# Altium PCB Portier.PcbDoc
Units mm, origin at the board's own origin, x right, y up, seen from the top; angles counter-clockwise.
Board outline 100 x 100 mm, 2 copper layers (Top Layer, Bottom Layer), stack 1.586 mm thick; 81 components, 42 nets, 222 pads, 93 vias.
Unrouted connection lines stored in the file: 1.
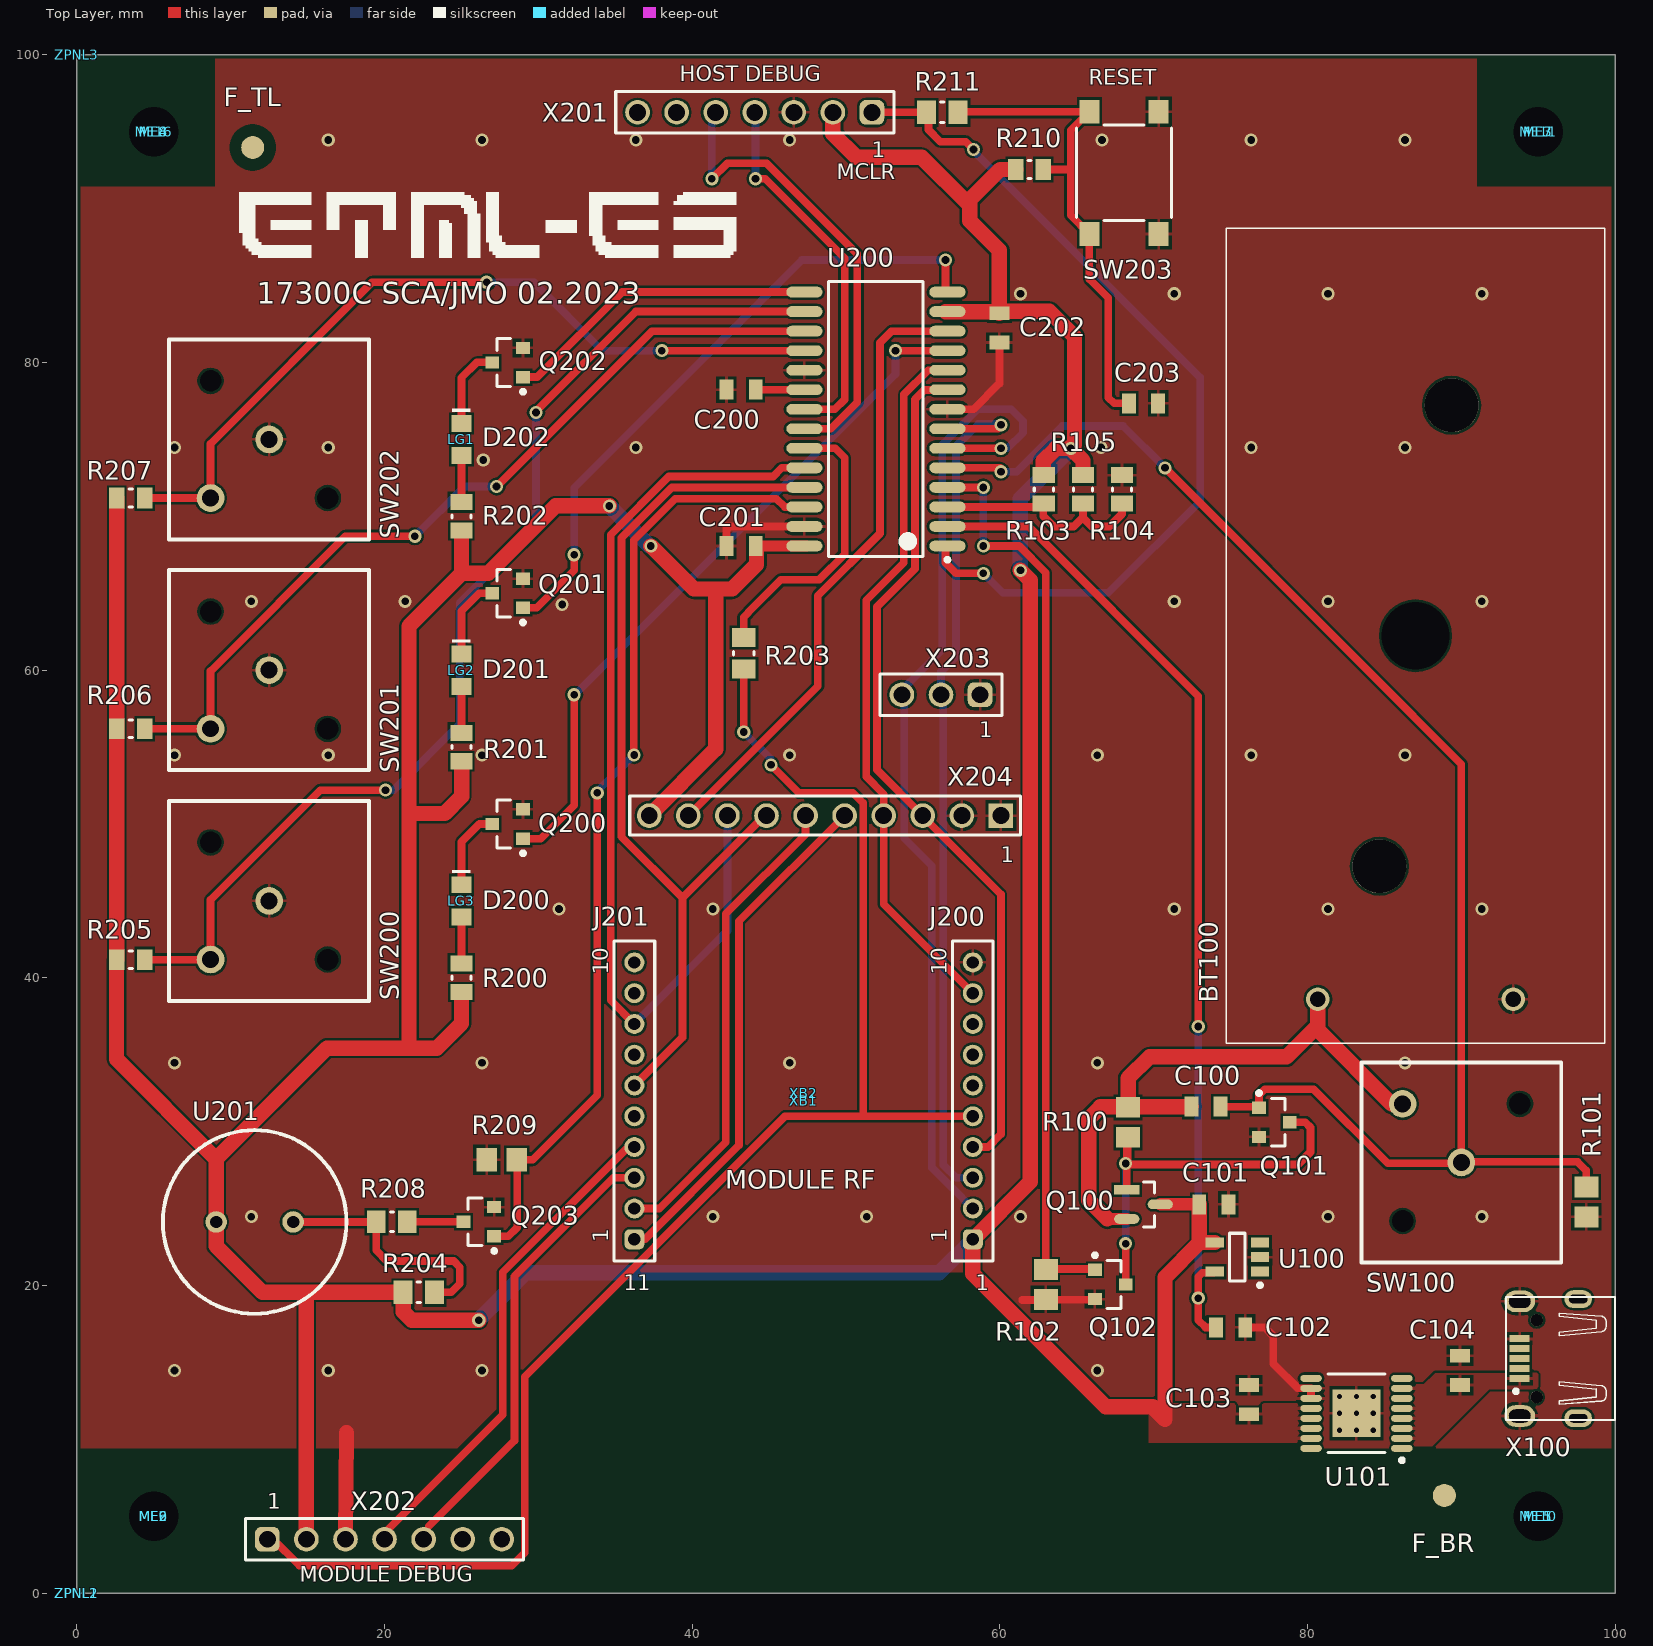
[diagram p0: Top Layer view]
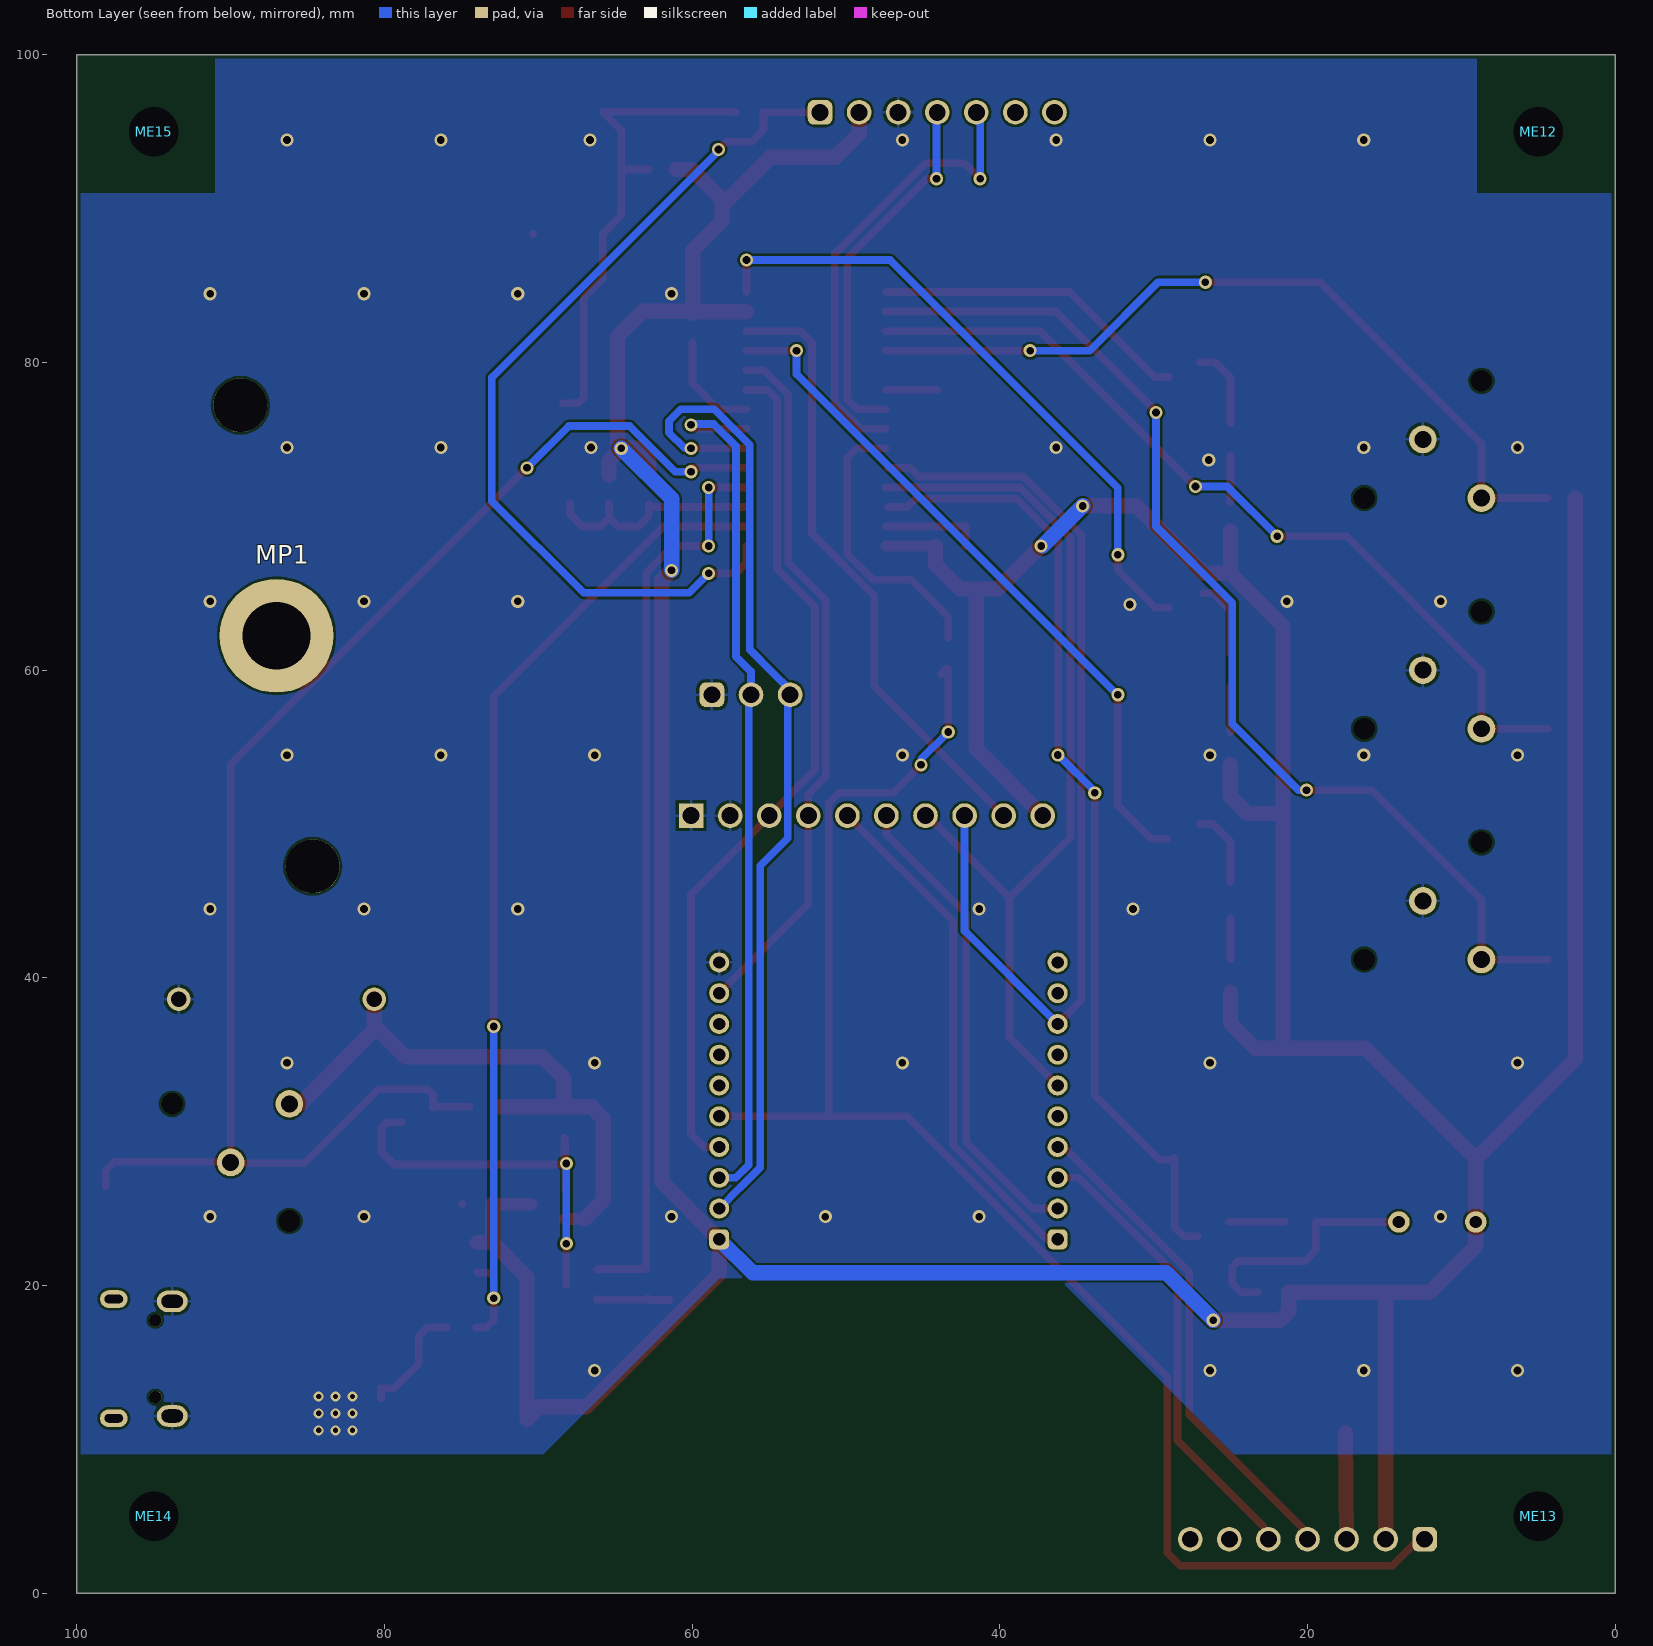
[diagram p1: Bottom Layer view, seen from below]
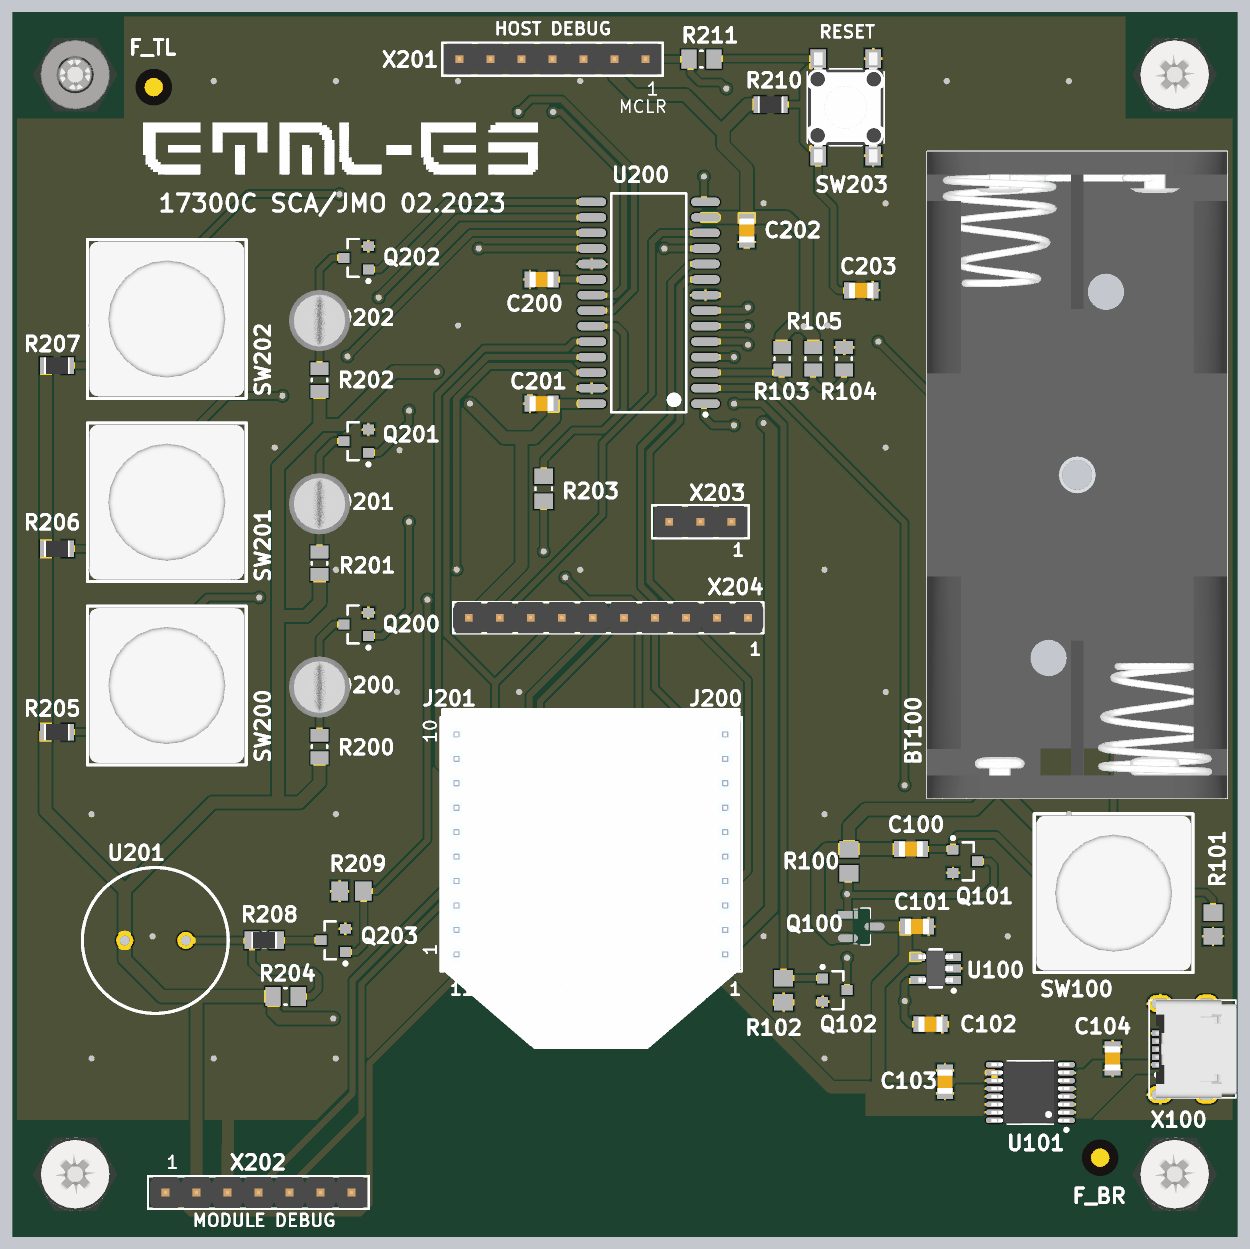
[diagram p2: 3D render of the assembled board from above, using the file's embedded part models]

## Layer stack, top to bottom
Top Solder: solder mask 0.0102, Solder Resist, Dk 3.5
Top Layer: signal copper 0.018
Dielectric1: core 1.55, FR-4, Dk 4.8
Bottom Layer: signal copper 0.018
Bottom Solder: solder mask 0.0102, Solder Resist, Dk 3.5

## Board outline
0,0 100,0 100,100 0,100

## Design rules (kind name [scope] priority, off if disabled: settings)
BoardOutlineClearance [All] p1: gap=0.25 ignorepadtopadclearanceinfootprint=FALSE except(0: Arc-SplitContinuation Track-SplitContinuation SMDPad-SplitContinuation THPad-SplitContinuation Via-SplitContinuation Fill-SplitContinuation Poly-SplitContinuation Region-SplitContinuation Text-SplitContinuation)
Clearance Clearance-xPP-xTP-xTT [All] p1: gap=0.151 ignorepadtopadclearanceinfootprint=FALSE
ComponentClearance ComponentClearance_ZPNL3_BT100 [InComponent('ZPNL3') vs InComponent('BT100')] p1: gap=0 collisioncheckmode=3 verticalgap=0 showdistances=FALSE
ComponentClearance ComponentClearance_ExtMecParts [InComponentClass('PcsMec_BOM') vs InComponentClass('PcsMec_BOM')] p2: gap=0 collisioncheckmode=3 verticalgap=0 showdistances=FALSE
ComponentClearance ComponentClearance_ExtRFParts [InComponentClass('RF_Modules_BOM') vs InComponent('J200') OR InComponent('J201') OR InComponentClass('RF_Modules_BOM')] p3: gap=0 collisioncheckmode=3 verticalgap=0 showdistances=FALSE
ComponentClearance ComponentClearance_ZPNLx_LG [InComponent('ZPNL1')OR InComponent('ZPNL2') vs InComponentClass('Schurter Switches')] p4: gap=0 collisioncheckmode=3 verticalgap=0 showdistances=FALSE
ComponentClearance ComponentClearance_MEx [InComponent('ME1')OR InComponent('ME2')OR InComponent('ME3')OR InComponent('ME4') vs InComponent('ME5')OR InComponent('ME6')OR InComponent('ME7')OR InComponent('ME8')OR InComponent('ME9')OR InComponent('ME10')OR InComponent('ME11')OR InComponent('ME11')] p5: gap=0 collisioncheckmode=3 verticalgap=0 showdistances=FALSE
ComponentClearance [All] p6: gap=0.25 collisioncheckmode=3 verticalgap=0.25 showdistances=FALSE
DiffPairsRouting [All] p1: maxlimit=0.25 minlimit=0.25 mostfreqgap=0.25 toplayer_minwidth=0.381 toplayer_maxwidth=0.381 toplayer_prefwidth=0.381 bottomlayer_minwidth=0.381 bottomlayer_maxwidth=0.381 bottomlayer_prefwidth=0.381 maxuncoupledlength=12.5
Height [All] p1: minheight=0 maxheight=25 prefheight=12.5
HoleSize HoleSize-PTH [All] p1: absolutevalues=TRUE maxlimit=5 minlimit=0.25 maxpercent=80.000 minpercent=20.000
HoleToHoleClearance [All] p1: gap=0.35 allowstackedmicrovias=TRUE
MinimumAnnularRing [All] p1: minimumring=0.125
MinimumSolderMaskSliver [All] p1: minsoldermaskwidth=0.08
PlaneClearance PlaneClearance-IPI [All] p1: clearance=0.25
PlaneConnect [All] p1: planeconnectstyle=Relief reliefexpansion=0.175 reliefentries=4 reliefconductorwidth=0.2 reliefairgap=0.2
PolygonConnect PolygonConnect-xTW [All] p1: thpad.connectstyle=Relief thpad.reliefconductorwidth=0.2 thpad.reliefentries=4 thpad.polygonreliefangle="90 Angle" thpad.airgapwidth=0.2 smdpad.connectstyle=Relief smdpad.reliefconductorwidth=0.2 smdpad.reliefentries=4 smdpad.polygonreliefangle="90 Angle" smdpad.airgapwidth=0.2 via.connectstyle=Direct via.reliefconductorwidth=0.2 via.reliefentries=4 via.polygonreliefangle="90 Angle" via.airgapwidth=0.2
RoutingCorners [All] p1: cornerstyle=45-Degree minsetback=2.5 maxsetback=2.5
RoutingVias [All] p1: holewidth=0.35 width=0.6 viastyle="Through Hole" minholewidth=0.35 minwidth=0.6 maxholewidth=0.8 maxwidth=1.6
SilkToSilkClearance [All] p1: silktosilkclearance=0.2
SilkToSolderMaskClearance SilkscreenOverComponentPads [IsPad] p1: minsilkscreentomaskgap=0.2 clearancetoexposedcopper=TRUE
SolderMaskExpansion SolderMaskExpansion_1 [IsVia] p1: expansion=-5 istentingtop=FALSE
SolderMaskExpansion [All] p2: expansion=0.1 istentingtop=FALSE
UnRoutedNet [All] p1: checkbadconnections=TRUE
Width Width-xTW_Supply [InNetClass('Supply')] p1: maxlimit=2 minlimit=0.5 preferedwidth=0.5 minimp=50.000000 maximp=50.000000 favimp=50.000000
Width Width-xTW [All] p2: maxlimit=1.5 minlimit=0.15 preferedwidth=0.2
18 further rules are at their usual default settings.

## Classes and differential pairs
component class RF_Modules_BOM: XB1 XB2
component class "Schurter Switches": SW100 SW200 SW201 SW202
component class PcsMec_BOM: LG1 LG2 LG3 ME1 ME2 ME3 ME4 ME5 ME6 ME7 ME8 ME9 ME10 ME11 ME12 ME13 ME14 ME15 ME16 ZPNL1 ZPNL2 ZPNL3
component class Alimentation: 3 BT100 C100 C101 C102 C103 C104 F_BR F_TL MP1 Q100 Q101 Q102 R100 R101 R102 R103 R104 R105 SW100 U100 U101 X100
component class Circuit: C200 C201 C202 C203 D200 D201 D202 J200 J201 P201 Q200 Q201 Q202 Q203 R200 R201 R202 R203 R204 R205 R206 R207 R208 R209 R210 R211 SW200 SW201 SW202 SW203 U200 U201 X201 X202 X203 X204

## Components (designator, comment, footprint, x,y, rotation, side; value= is the part's Value field where it differs from the comment)
BT100 "2 x 1.5V AAA" 2468_3D_KEYSTONE 87.022,62.236 r270 top
C100 "100nF" WCAP-CSGP_0805_L2W1.25H0.8_Reflow 73.406,31.623 r180 top
C101 "100nF" WCAP-CSGP_0805_L2W1.25H0.8_Reflow 73.914,25.273 r180 top
C102 "100nF" WCAP-CSGP_0805_L2W1.25H0.8_Reflow 75.006,17.272 r180 top
C103 "4.7µF" WCAP-CSGP_0805_L2W1.25H1.25 76.2,12.573 r270 top value="4.7µF 16V"
C104 "4.7µF" WCAP-CSGP_0805_L2W1.25H1.25 89.916,14.478 r270 top value="4.7µF 16V"
C200 "10µF" WCAP-CSGP_0805_L2W1.25H1.25 43.18,78.232 r180 top value="10uF 16V"
C201 "100nF" WCAP-CSGP_0805_L2W1.25H0.8_Reflow 43.18,68.072 r0 top
C202 "100nF" WCAP-CSGP_0805_L2W1.25H0.8_Reflow 59.973,82.252 r90 top
C203 "100nF" WCAP-CSGP_0805_L2W1.25H0.8_Reflow 69.342,77.343 r180 top
D200 "Green, 2V, 40°" WL-SMCW_0805_150080xx75000 25,45 r270 top
D201 "Green, 2V, 40°" WL-SMCW_0805_150080xx75000 25,60 r270 top
D202 "Green, 2V, 40°" WL-SMCW_0805_150080xx75000 25,75 r270 top
F_BR "1.5/3.0" FID-150-300 88.9,6.35 r0 top
F_TL "1.5/3.0" FID-150-300 11.43,93.98 r0 top
J200 "62001011821" 62001011821 58.244,32 r90 top value="HD 10x1 2mm"
J201 "62001011821" 62001011821 36.244,32 r90 top value="HD 10x1 2mm"
LG1 "LFC 050 CTP" "LIGHT GUIDE LFC050" 25,75 r0 top
LG2 "LFC 050 CTP" "LIGHT GUIDE LFC050" 25,60 r0 top
LG3 "LFC 050 CTP" "LIGHT GUIDE LFC050" 25,45 r0 top
ME1 "Spacer M3x14 F-F" M3X14_FF_970140365 95,5 r0 top
ME2 "Spacer M3x14 F-F" M3X14_FF_970140365 5,5 r0 top
ME3 "Spacer M3x14 F-F" M3X14_FF_970140365 95,95 r0 top
ME4 "Spacer M3x14 F-F" M3X14_FF_970140365 5,95 r0 top
ME5 "Spacer M3x06 M-F" M3X06_MF_971060365 95,5 r0 top
ME6 "Spacer M3x06 M-F" M3X06_MF_971060365 5,5 r0 top
ME7 "Spacer M3x06 M-F" M3X06_MF_971060365 95,95 r0 top
ME8 "Spacer M3x06 M-F" M3X06_MF_971060365 5,95 r0 top
ME9 "M3x06" "M3X06 SCREW HEIGHT_16" 5,5 r0 top
ME10 "M3x06" "M3X06 SCREW HEIGHT_16" 95,5 r0 top
ME11 "M3x06" "M3X06 SCREW HEIGHT_16" 95,95 r0 top
ME12 "M3x06" "M3X06 SCREW HEIGHT_16" 5,95 r180 bottom
ME13 "M3x06" "M3X06 SCREW HEIGHT_8" 5,5 r180 bottom
ME14 "M3x06" "M3X06 SCREW HEIGHT_8" 95,5 r180 bottom
ME15 "M3x06" "M3X06 SCREW HEIGHT_8" 95,95 r180 bottom
ME16 "M3x06" "M3X06 SCREW HEIGHT_8" 5,95 r0 top
MP1 "M3 x 3mm" 9774030360 87.022,62.236 r180 bottom value=9774030360
Q100 "FDN336P" FP-527AG-IPC_A 69.342,25.273 r0 top
Q101 "IRLML2402" INTR-IRLML2402TRPBF-3_V 77.851,30.607 r0 top value=IRLML2402TRBF
Q102 "IRLML2402" INTR-IRLML2402TRPBF-3_V 67.183,20.066 r0 top value=IRLML2402TRBF
Q200 "IRLML2402" INTR-IRLML2402TRPBF-3_V 28,50 r180 top value=IRLML2402TRBF
Q201 "IRLML2402" INTR-IRLML2402TRPBF-3_V 28,65 r180 top value=IRLML2402TRBF
Q202 "IRLML2402" INTR-IRLML2402TRPBF-3_V 28,80 r180 top value=IRLML2402TRBF
Q203 "IRLML2402" INTR-IRLML2402TRPBF-3_V 26.123,24.146 r180 top value=IRLML2402TRBF
R100 "100k" RESC2013X70X40ML20T20 68.326,30.607 r90 top
R101 "100k" RESC2013X70X40ML20T20 98.133,25.435 r90 top
R102 "100k" RESC2013X70X40ML20T20 62.992,20.066 r90 top
R103 "22k" RESC2013X50X30NL20T20 62.865,71.755 r90 top
R104 "22k" RESC2013X50X30NL20T20 67.945,71.755 r270 top
R105 "22k" RESC2013X50X30NL20T20 65.405,71.755 r90 top
R200 "750R" RESC2013X50X30NL20T20 25,40 r90 top
R201 "750R" RESC2013X50X30NL20T20 25,55 r90 top
R202 "750R" RESC2013X50X30NL20T20 25,70 r270 top
R203 "1k" RESC2013X50X30ML20T20 43.355,61.1 r90 top
R204 "1k" RESC2013X50X30ML20T20 22.225,19.558 r180 top
R205 "10k" RESC2013X60X35NL10T20 3.5,41.179 r180 top
R206 "10k" RESC2013X60X35NL10T20 3.5,56.19 r180 top
R207 "10k" RESC2013X60X35NL10T20 3.5,71.19 r180 top
R208 "0R" RESC2013X60X35ML10T20 20.475,24.146 r180 top
R209 "100k" RESC2013X70X40ML20T20 27.62,28.169 r0 top
R210 "10k" RESC2013X60X35NL10T20 61.923,92.547 r0 top
R211 "1k" RESC2013X50X30ML20T20 56.261,96.266 r180 top
SW100 "Tact-sw 1241.1022" "Tact-sw 1241.1022" 90,28 r0 top
SW200 "Tact-sw 1241.1022" "Tact-sw 1241.1022" 12.5,45 r90 top
SW201 "Tact-sw 1241.1022" "Tact-sw 1241.1022" 12.5,60 r90 top
SW202 "Tact-sw 1241.1022" "Tact-sw 1241.1022" 12.5,75 r90 top
SW203 "430182043816" WS-TASV_L6W6H4.3_4301x20438x6 68.072,92.329 r90 top
U100 "LM4125IM5-2.0/NOPB" DBV0005A_M 75.438,21.844 r180 top value=LM4125IM5-2.0
U101 "MAX1793" TSOP65P640X110_HS-17N 83.185,11.684 r180 top value=MAX1793EUE33
U200 "PIC32MX130F064B-I/SO" MCHP-SOIC-SO28_M 51.943,76.327 r180 top
U201 "BuzzerPiezo" BUZZER 11.557,24.13 r0 top value=PS1240P02BT
X100 "Micro_USB" MICRO_USB 93.8,15.24 r90 top
X201 "61300711121" 61300711121 44.069,96.266 r180 top value="HD 7x1 2.54mm"
X202 "61300711121" 61300711121 20,3.5 r0 top value="HD 7x1 2.54mm"
X203 "61300311121" 61300311121 56.174,58.404 r180 top value="HD 3x1 2.54mm"
X204 "61301011121" 61301011121 48.641,50.546 r180 top value="HD 10x1 2.54mm"
XB1 "ModulesRxTx868MHz_NC_3D" MODULESRXTX868MHZ_1623 47.244,32 r180 top value=2x10
XB2 "Xbee_Module" Xbee_3D 47.244,32.5 r0 top
ZPNL1 "Front Panel Door" "FACE AV DOOR" 0,0 r0 top
ZPNL2 "Front Panel Bell" "FACE AVANT BELL" 0,0 r0 top
ZPNL3 "Rear Panel" "FACE ARRIERE" 0,100 r0 top

## Footprints (in the part's own frame and the unit in brackets; to place one, negate y for a bottom-side part, rotate by r counter-clockwise, add the part's x,y. Pads: shape width x height; smd on the part's side, far side on the other; paste and mask are expansions set on the pad)
2468_3D_KEYSTONE [mm]
  round 1.53 hole 1.02: 1(23.625,-6.35) 2(23.625,6.35)
  round 3.5 hole 3.5 unplated: 3(-14.985,2.35) 4(14.985,-2.35)
  silkscreen extent -26.49,-12.29 26.49,12.29, body extent -26.49,-12.29 26.49,12.3, height 13.12
9774030360 [mm] "M3 Thread Internal, Length 3mm"
  round 7.4 / inner round 0 / far side round 0 hole 4.4 unplated: 1(0,0)
  body extent -3,-3 3,3, height 3
61300311121 [mm] "Pin Header, pitch 2.54 mm, THT, Vertical, single row, 3p"
  rrect50% 1.6x1.6 hole 1.1: 1(-2.54,0)
  round 1.6 hole 1.1: 2(0,0) 3(2.54,0)
  silkscreen extent -3.96,-1.35 3.96,1.35, body extent -3.81,-1.27 3.81,1.27, height 8.57
61300711121 [mm] "Pin Header, pitch 2.54 mm, THT, Vertical, single row, 7p"
  rrect50% 1.6x1.6 hole 1.1: 1(-7.62,0)
  round 1.6 hole 1.1: 2(-5.08,0) 3(-2.54,0) 4(0,0) 5(2.54,0) 6(5.08,0) 7(7.62,0)
  silkscreen extent -9.04,-1.35 9.04,1.35, body extent -8.89,-1.27 8.89,1.27, height 8.57
61301011121 [mm] "10 pins, 1 row, straight, gold plating"
  rect 1.6x1.6 hole 1.1: 1(-11.43,0)
  round 1.6 hole 1.1: 2(-8.89,0) 3(-6.35,0) 4(-3.81,0) 5(-1.27,0) 6(1.27,0) 7(3.81,0) 8(6.35,0) 9(8.89,0) 10(11.43,0)
  silkscreen extent -12.7,-1.27 12.7,1.27, body extent -12.7,-1.27 12.7,1.27, height 8.57
62001011821 [mm] "Socket Header, Pitch 2.00 mm, THT, Vertical, single row, 10p"
  rrect50% 1.3x1.3 hole 0.8: 1(-9,0)
  round 1.3 hole 0.8: 2(-7,0) 3(-5,0) 4(-3,0) 5(-1,0) 6(1,0) 7(3,0) 8(5,0) 9(7,0) 10(9,0)
  silkscreen extent -10.4,-1.33 10.4,1.33, body extent -10.25,-1.25 10.25,1.25, height 4.35